# KiCad board ciaa_acc.kicad_pcb (continued)
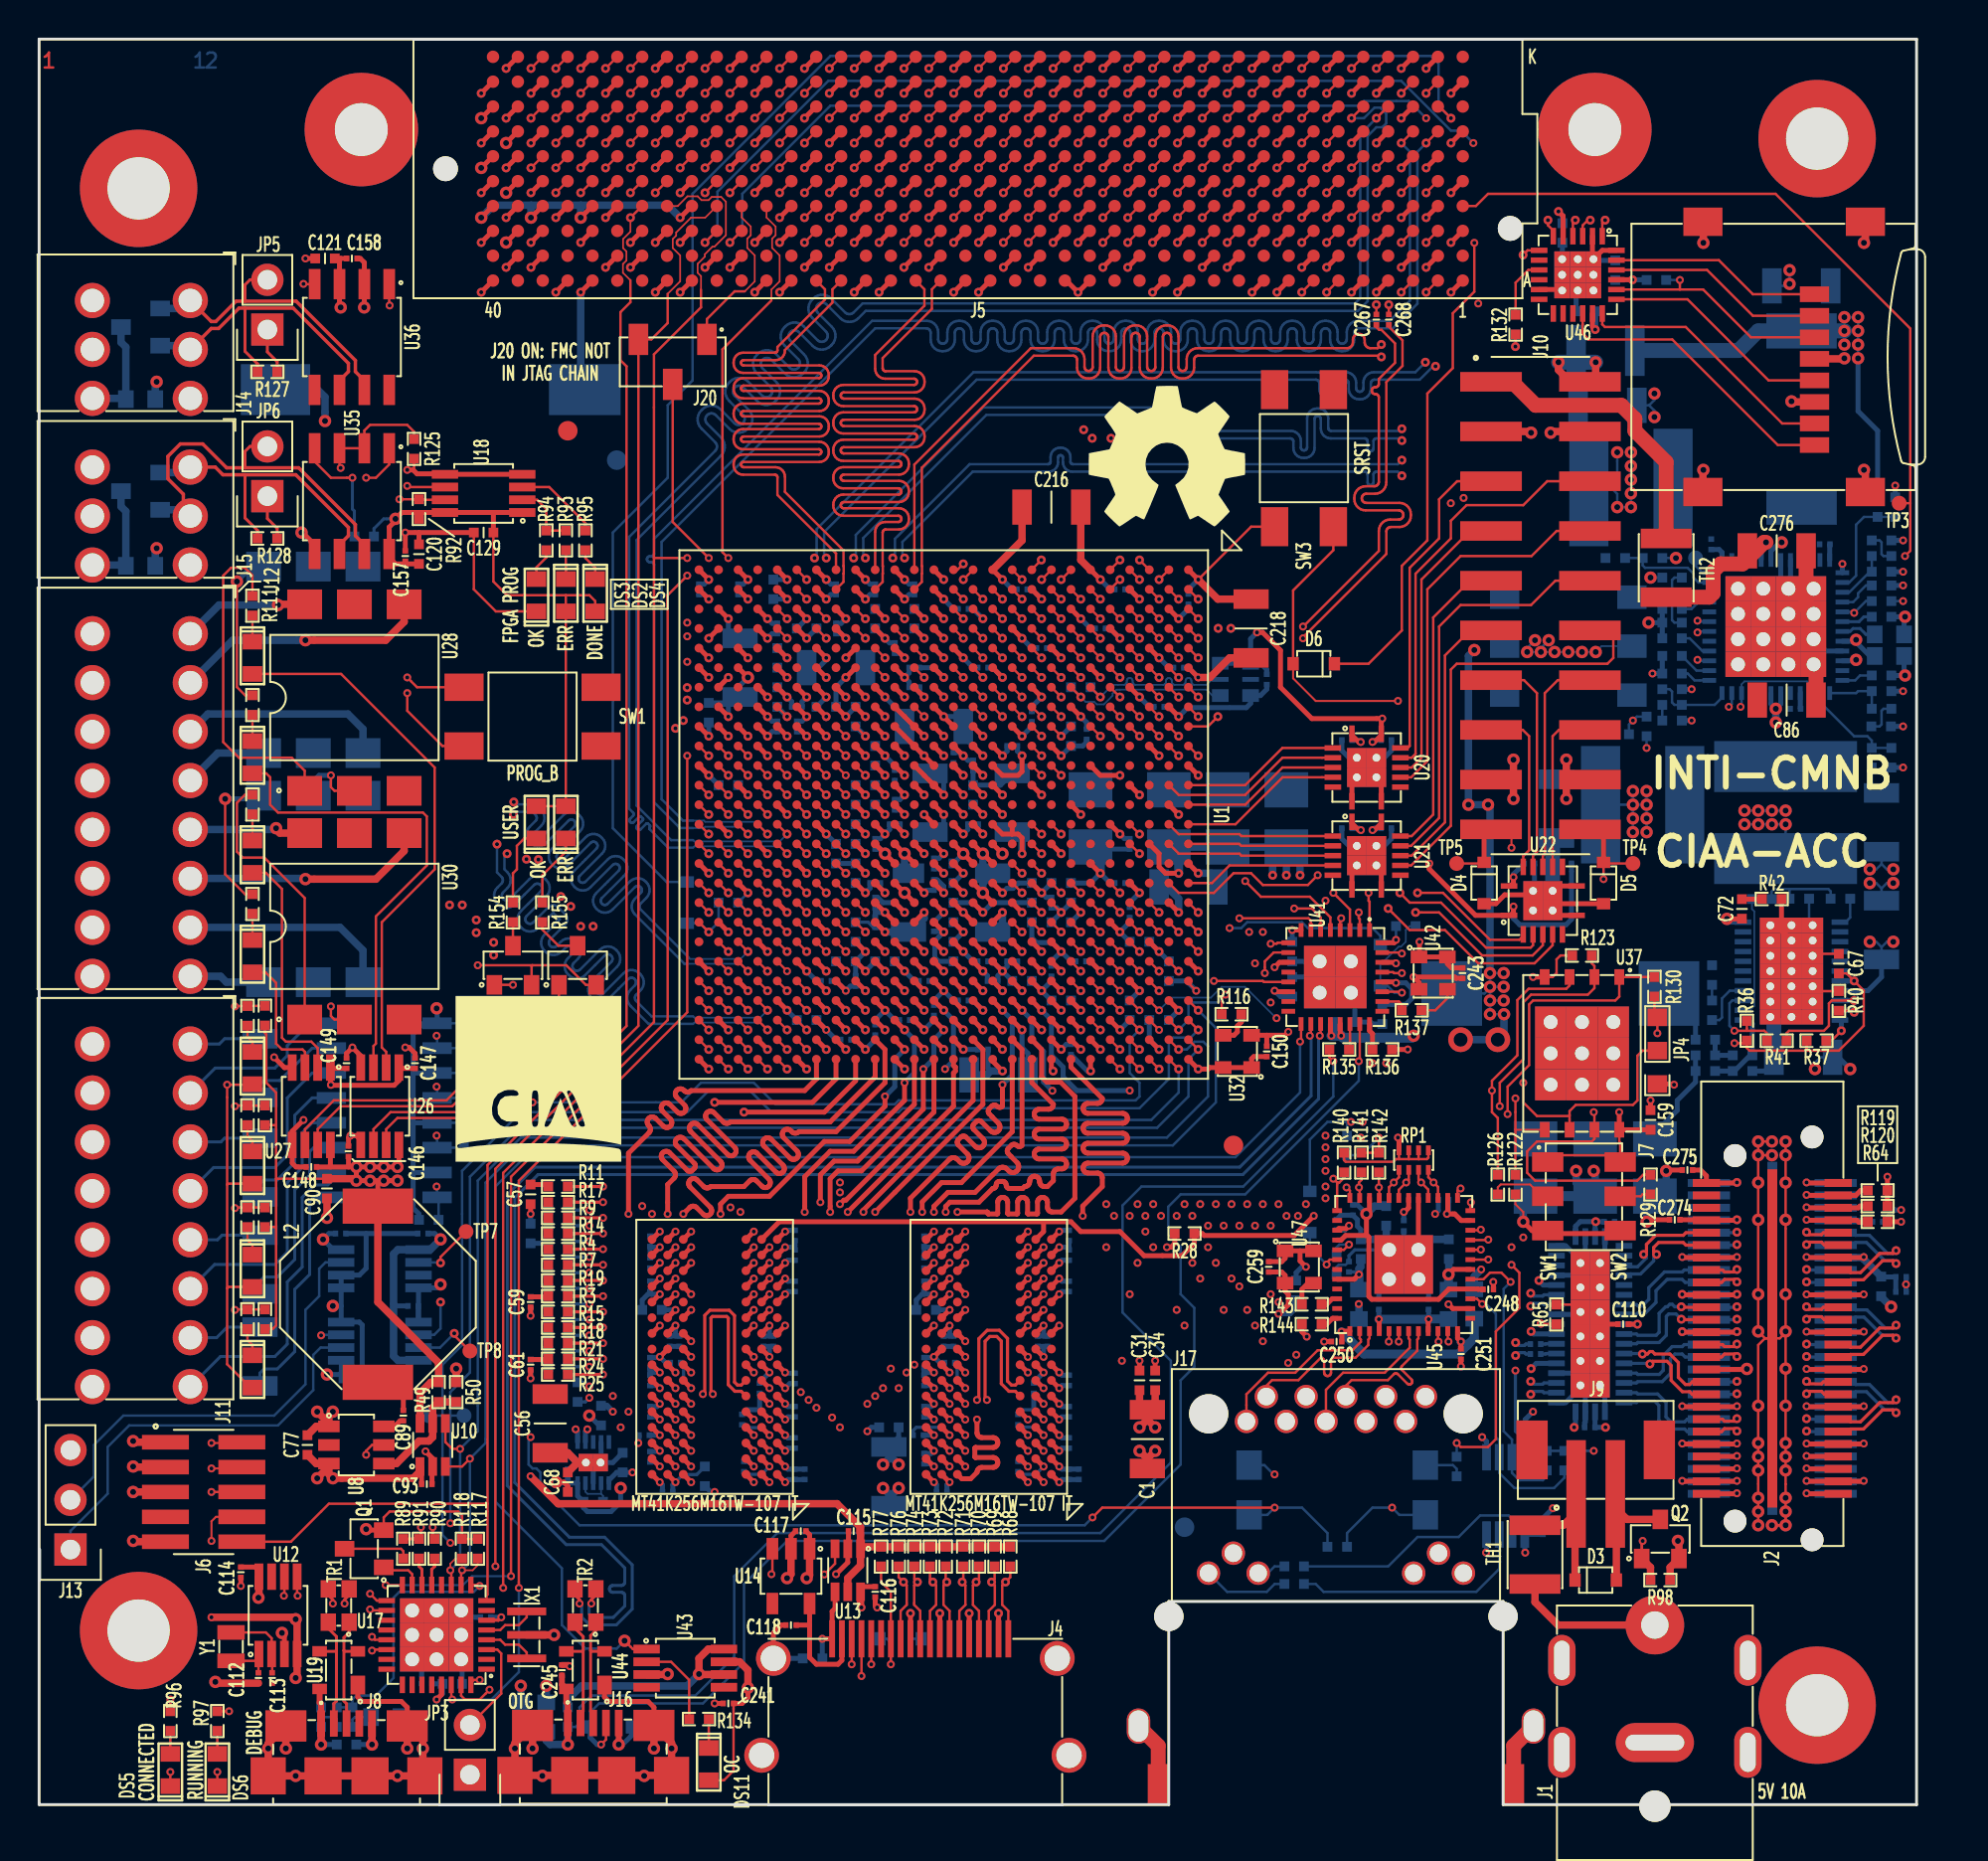
[diagram p0: board, top side]
## Routing (per net, layer and track width the routed paths; a pad name or vN(x,y) marks a point on that pad's centre or on a via; arc(x,y) is an arc through that point) (continued)
/Principal/BANK_0/SMBUS_SCL: length 142.4
  TOP_L1.Sig w0.127: U1.D23 v1(56.2,40.57) ; J5.C30 35.87,80.38 v2(35.28,79.78)
  TOP_L1.Sig w0.254: R119.2 93.04,31.37 92.78,31.12 90.3,31.12 v1(90.27,31.14)
  L3.Sig w0.107: v1(61.8,44.57) 62.5,45.27 62.5,47.54 66.03,51.07 68.6,51.07 72.1,54.57 v1(72.1,66.47)
  L5.Sig w0.107: v1(75.8,28.97) 76.27,29.44 76.27,31.67 68,39.94 68,40.07 64.5,40.07 64.1,40.47 64.1,43.87 63,44.97 62.2,44.97 v1(61.8,44.57) 59.3,42.07 56.9,42.07 56.7,41.87 56.7,41.37 56.2,40.87 v1(56.2,40.57)
  L8.Sig w0.107: v1(90.27,31.14) 77.97,31.14 v1(75.8,28.97)
  L10.Sig w0.107: v1(70.84,86.13) 71.47,85.5 71.47,76.8 71.8,76.47 71.8,66.77 v1(72.1,66.47)
  BOT_L12.Sig w0.127: v1(70.84,86.13) 69.96,87.01 67.66,87.01 67.42,86.77 40.41,86.77 35.91,82.27 35.91,80.42 v2(35.28,79.78)
  BOT_L12.Sig w0.254: 91.76,31.12 90.3,31.12 v1(90.27,31.14)
/Principal/BANK_0/SMBUS_SDA: length 144.8
  TOP_L1.Sig w0.127: J5.C31 34.6,80.38 v2(34.01,79.78) ; U1.C24 v1(57.2,39.57)
  TOP_L1.Sig w0.254: v1(90.27,30.51) 90.29,30.48 J2.47 92.91,30.48 93,30.57 R120.2
  L3.Sig w0.107: v1(72.75,66.74) 72.75,54.42 68.8,50.47 66.9,50.47 64.9,48.47 64.9,47.17 62.5,44.77 v1(62.5,44.57)
  L5.Sig w0.107: v1(57.2,39.57) 57.7,40.07 58.5,40.07 58.7,40.27 58.7,40.97 58.8,41.07 59.7,41.07 60.5,41.87 60.5,42.57 v1(62.5,44.57) 62.83,44.57 63.7,43.7 63.7,40.27 64.3,39.67 67.6,39.67 75.2,32.07 v1(75.2,28.47)
  L8.Sig w0.107: v1(75.2,28.47) 76.2,28.47 78.24,30.51 v1(90.27,30.51)
  L10.Sig w0.107: v1(73.25,84.86) 72.74,84.36 v1(72.75,66.74)
  BOT_L12.Sig w0.127: v1(73.25,84.86) 72.62,85.5 72.11,85.5 69.57,88.04 40.31,88.04 34.64,82.38 34.64,80.42 v2(34.01,79.78)
  BOT_L12.Sig w0.254: J3.47 90.29,30.48 v1(90.27,30.51)
/Principal/BANK_0/TCK: length 116.1
  TOP_L1.Sig w0.089: 37.4,76.83 37.4,77.38 37.82,77.8 37.82,79.13 37.44,79.51 37.44,79.98 37.61,80.16 37.61,80.6 37.15,81.06 J5.D29
  TOP_L1.Sig w0.107: v1(8.8,17.17) 10.28,17.17 J6.4 ; v1(17.7,11.21) 17.71,11.22 U17.16
  TOP_L1.Sig w0.127: v1(33.1,62.77) 32.1,61.77 32.1,40.07 24.1,32.07 v1(24.1,11.67) ; U1.W12 v2(41.2,51.57) ; 37.4,76.83 34.9,74.33 34.9,63.97 v1(35.2,63.67)
  L5.Sig w0.107: v2(41.2,51.57) 41.7,52.07 41.7,54.87 41.5,55.07 40.9,55.07 40.7,55.27 40.7,57.97 40.6,58.07 39.7,58.07 38.7,59.07 36.7,59.07 35.7,60.07 35.7,63.17 v1(35.2,63.67)
  L8.Sig w0.107: v1(35.2,63.67) 34.73,63.67 33.83,62.77 v1(33.1,62.77)
  L10.Sig w0.107: v1(8.8,17.17) 9.2,16.77 9.2,15.27 12.4,12.07 16.84,12.07 v1(17.7,11.21)
  BOT_L12.Sig w0.107: v1(24.1,11.67) 22.1,11.67 21.64,11.21 v1(17.7,11.21)
/Principal/BANK_0/TDI: length 85.3
  TOP_L1.Sig w0.107: J6.8 9.03,14.7 8.8,14.47 v1(8.8,13.47)
  TOP_L1.Sig w0.127: U17.30 21.05,5.42 v1(21.1,5.37) ; U1.V11 v2(42.2,52.57) ; v1(33.1,53.57) 33.1,40.47 24.5,31.87 v1(24.5,11.07)
  L3.Sig w0.107: v1(33.1,53.57) 33.6,54.07 41.27,54.07 41.7,53.64 U1.V11 v2(42.2,52.57)
  L10.Sig w0.107: v1(8.8,13.47) 9.1,13.47 12.4,10.17 13.5,10.17 14.6,9.07 17.3,9.07 17.7,8.67 17.7,7.07 18.8,5.97 20.5,5.97 v1(21.1,5.37)
  BOT_L12.Sig w0.127: v1(24.5,11.07) 24.5,6.77 23.1,5.37 v1(21.1,5.37)
/Principal/BANK_0/TDO: length 96.9
  TOP_L1.Sig w0.089: 32.1,77.16 32.74,77.8 32.74,79.13 32.36,79.5 32.36,79.96 32.53,80.13 32.53,80.3 33.29,81.05 34.02,81.05 J5.D31
  TOP_L1.Sig w0.127: U17.18 16.95,9.92 v1(16.9,9.97) ; v1(8.8,15.97) J6.6 ; v1(23.3,12.17) 23.3,12.18 23.3,32.47 30.61,39.78 J20.3 31.27,74.84 32.1,75.67 32.1,77.16
  L10.Sig w0.107: v1(23.3,12.17) 22.74,11.61 18.74,11.61 17.98,10.85 17.45,10.85 17.03,11.27 16.5,11.27 ; 16.5,11.27 16.5,10.37 v1(16.9,9.97) ; 16.5,11.27 14,11.27 13.6,11.67 12.2,11.67 8.8,15.07 v1(8.8,15.97)
/Principal/BANK_0/TMS: length 124.2
  TOP_L1.Sig w0.089: 33.8,77.37 33.8,78.07 33.63,78.24 33.63,78.69 34,79.06 34,79.18 34.39,79.57 34.49,79.57 35.07,80.16 35.07,81.87 34.83,82.11 34.35,82.11 34.19,81.95 33.83,81.95 33.63,82.14 33.11,82.14 32.62,81.65 J5.D33
  TOP_L1.Sig w0.107: J6.2 10.31,18.47 v1(8.8,18.47)
  TOP_L1.Sig w0.127: 31.4,63.67 31.4,39.97 23.7,32.27 v1(23.7,11.07) ; 31.4,63.67 31.4,74.07 33.8,76.47 33.8,77.37 ; 31.4,63.67 v1(33.1,63.67) ; U1.W11 v1(41.2,52.57) ; v1(16.9,10.77) 17.25,10.42 U17.17
  L5.Sig w0.107: v1(41.2,52.57) U1.W11 36.8,53.07 36.7,53.17 36.7,55.17 34.7,57.17 34.7,57.87 34.5,58.07 34,58.07 33.7,58.37 33.7,63.07 v1(33.1,63.67)
  L10.Sig w0.107: v1(23.7,11.07) 23.44,10.81 18.34,10.81 18,10.47 17.4,10.47 ; 17.4,10.47 17.4,9.77 17.1,9.47 15,9.47 13.2,11.27 12,11.27 8.4,14.87 8.4,18.07 v1(8.8,18.47) ; 17.4,10.47 17.2,10.47 v1(16.9,10.77)
/Principal/BANK_112/DP0_C2M_N: length 54.8
  TOP_L1.Sig w0.127: J5.A27 40.13,77.39 40.13,76.87 37.71,74.45 37.71,74.29 37.71,74.26 37.7,74.23 37.68,74.21 37.66,74.19 37.63,74.17 37.6,74.16 37.58,74.16 35.95,74.16 35.85,74.14 35.74,74.11 35.65,74.05 35.57,73.97 35.52,73.88 35.48,73.78 35.47,73.67 35.47,73.61 35.48,73.5 35.52,73.4 35.57,73.31 35.65,73.23 35.74,73.17 35.85,73.14 35.95,73.13 39.82,73.13 39.85,73.12 39.87,73.11 39.9,73.1 39.92,73.07 39.94,73.05 39.95,73.02 39.95,72.99 39.95,72.96 39.94,72.93 39.92,72.91 39.9,72.89 39.87,72.87 39.85,72.86 39.82,72.86 35.95,72.86 35.85,72.84 35.74,72.81 35.65,72.75 35.57,72.67 35.52,72.58 35.48,72.48 35.47,72.37 35.47,72.31 35.48,72.2 35.52,72.1 35.57,72.01 35.65,71.93 35.74,71.87 35.85,71.84 35.95,71.83 39.82,71.83 39.85,71.82 39.87,71.81 39.9,71.8 39.92,71.77 39.94,71.75 39.95,71.72 39.95,71.69 39.95,71.66 39.94,71.63 39.92,71.61 39.9,71.59 39.87,71.57 39.85,71.56 39.82,71.56 35.95,71.56 35.85,71.54 35.74,71.51 35.65,71.45 35.57,71.37 35.52,71.28 35.48,71.18 35.47,71.07 35.47,71.01 35.48,70.9 35.52,70.8 35.57,70.71 35.65,70.63 35.74,70.57 35.85,70.54 35.95,70.53 39.82,70.53 39.85,70.52 39.87,70.51 39.9,70.5 39.92,70.47 39.94,70.45 39.95,70.42 39.95,70.39 39.95,70.36 39.94,70.33 39.92,70.31 39.9,70.29 39.87,70.27 39.85,70.26 39.82,70.26 35.95,70.26 35.85,70.24 35.74,70.21 35.65,70.15 35.57,70.07 35.52,69.98 35.48,69.88 35.47,69.77 35.47,69.71 35.48,69.6 35.52,69.5 35.57,69.41 35.65,69.33 35.74,69.27 35.85,69.24 35.95,69.23 39.82,69.23 39.85,69.22 39.87,69.21 39.9,69.2 39.92,69.17 39.94,69.15 39.95,69.12 39.95,69.09 39.95,69.06 39.94,69.03 39.92,69.01 39.9,68.99 39.87,68.97 39.85,68.96 39.82,68.96 35.95,68.96 35.85,68.94 35.74,68.91 35.65,68.85 35.57,68.77 35.52,68.68 35.48,68.58 35.47,68.47 35.47,68.41 35.48,68.3 35.52,68.2 35.57,68.11 35.65,68.03 35.74,67.97 35.85,67.94 35.95,67.93 37.58,67.93 37.6,67.92 37.63,67.91 37.66,67.9 37.68,67.87 37.7,67.85 37.71,67.82 37.71,67.79 37.71,66.89 40.7,63.9 U1.W1
/Principal/BANK_112/DP0_C2M_P: length 56
  TOP_L1.Sig w0.127: J5.A26 40.52,77.39 40.52,76.72 38.09,74.29 38.09,74.26 38.08,74.15 38.04,74.05 37.98,73.96 37.91,73.88 37.82,73.82 37.71,73.79 37.6,73.78 35.98,73.78 35.95,73.77 35.93,73.76 35.9,73.75 35.88,73.72 35.86,73.7 35.85,73.67 35.85,73.64 35.85,73.61 35.86,73.58 35.88,73.56 35.9,73.54 35.93,73.52 35.95,73.51 35.98,73.51 39.85,73.51 39.95,73.49 40.06,73.46 40.15,73.4 40.23,73.32 40.28,73.23 40.32,73.13 40.33,73.02 40.33,72.96 40.32,72.85 40.28,72.75 40.23,72.66 40.15,72.58 40.06,72.52 39.95,72.49 39.85,72.48 35.98,72.48 35.95,72.47 35.93,72.46 35.9,72.45 35.88,72.42 35.86,72.4 35.85,72.37 35.85,72.34 35.85,72.31 35.86,72.28 35.88,72.26 35.9,72.24 35.93,72.22 35.95,72.21 35.98,72.21 39.85,72.21 39.95,72.19 40.06,72.16 40.15,72.1 40.23,72.02 40.28,71.93 40.32,71.83 40.33,71.72 40.33,71.66 40.32,71.55 40.28,71.45 40.23,71.36 40.15,71.28 40.06,71.22 39.95,71.19 39.85,71.18 35.98,71.18 35.95,71.17 35.93,71.16 35.9,71.15 35.88,71.12 35.86,71.1 35.85,71.07 35.85,71.04 35.85,71.01 35.86,70.98 35.88,70.96 35.9,70.94 35.93,70.92 35.95,70.91 35.98,70.91 39.85,70.91 39.95,70.89 40.06,70.86 40.15,70.8 40.23,70.72 40.28,70.63 40.32,70.53 40.33,70.42 40.33,70.36 40.32,70.25 40.28,70.15 40.23,70.06 40.15,69.98 40.06,69.92 39.95,69.89 39.85,69.88 35.98,69.88 35.95,69.87 35.93,69.86 35.9,69.85 35.88,69.82 35.86,69.8 35.85,69.77 35.85,69.74 35.85,69.71 35.86,69.68 35.88,69.66 35.9,69.64 35.93,69.62 35.95,69.61 35.98,69.61 39.85,69.61 39.95,69.59 40.06,69.56 40.15,69.5 40.23,69.42 40.28,69.33 40.32,69.23 40.33,69.12 40.33,69.06 40.32,68.95 40.28,68.85 40.23,68.76 40.15,68.68 40.06,68.62 39.95,68.59 39.85,68.58 35.98,68.58 35.95,68.57 35.93,68.56 35.9,68.55 35.88,68.52 35.86,68.5 35.85,68.47 35.85,68.44 35.85,68.41 35.86,68.38 35.88,68.36 35.9,68.34 35.93,68.32 35.95,68.31 35.98,68.31 37.6,68.31 37.71,68.29 37.82,68.26 37.91,68.2 37.98,68.12 38.04,68.03 38.08,67.93 38.09,67.82 38.09,67.05 41.08,64.06 41.08,63.27 41.09,63.26 41.09,62.88 41.08,62.87 41.08,62.45 U1.W2
/Principal/BANK_112/DP0_M2C_N: length 52.7
  TOP_L1.Sig w0.127: v2(64.49,77.24) 65.08,77.84 J5.A7 ; U1.Y3 v2(40.2,60.57)
  L3.Sig w0.089: v2(71.32,73.46) 71.19,73.46 70.83,73.1 68.27,73.1 64.98,76.39 64.98,76.75 v2(64.49,77.24) ; v2(40.2,63.67) 39.82,63.29 39.82,60.95 v2(40.2,60.57)
  BOT_L12.Sig w0.127: v2(40.2,63.67) 40.09,63.78 40.09,64.99 47.88,72.78 65.2,72.78 65.24,72.77 65.28,72.76 65.32,72.74 65.34,72.71 65.37,72.68 65.38,72.64 65.38,72.59 65.38,72.31 65.4,72.19 65.44,72.08 65.5,71.98 65.59,71.9 65.69,71.83 65.8,71.79 65.92,71.78 65.98,71.78 66.1,71.79 66.21,71.83 66.31,71.9 66.4,71.98 66.46,72.08 66.5,72.19 66.52,72.31 66.52,72.59 66.52,72.64 66.53,72.68 66.56,72.71 66.58,72.74 66.62,72.76 66.66,72.77 66.7,72.78 66.74,72.77 66.78,72.76 66.82,72.74 66.84,72.71 66.87,72.68 66.88,72.64 66.88,72.59 66.88,72.31 66.9,72.19 66.94,72.08 67,71.98 67.09,71.9 67.19,71.83 67.3,71.79 67.42,71.78 67.48,71.78 67.6,71.79 67.71,71.83 67.81,71.9 67.9,71.98 67.96,72.08 68,72.19 68.02,72.31 68.02,72.59 68.02,72.64 68.03,72.68 68.06,72.71 68.08,72.74 68.12,72.76 68.16,72.77 68.2,72.78 70.51,72.78 71.19,73.46 v2(71.32,73.46)
/Principal/BANK_112/DP0_M2C_P: length 52.7
  TOP_L1.Sig w0.127: v2(65.76,77.24) 66.35,77.84 J5.A6 ; U1.Y4 v2(40.2,59.57)
  L3.Sig w0.089: v2(40.2,59.57) 39.58,60.19 39.58,63.65 v2(39.6,63.67) ; v2(65.76,77.24) 65.26,76.75 65.26,76.5 68.39,73.38 70.52,73.38 70.8,73.66 v2(70.8,73.67)
  BOT_L12.Sig w0.127: v2(39.6,63.67) 39.71,63.78 39.71,65.15 47.72,73.16 65.23,73.16 65.35,73.15 65.46,73.11 65.56,73.04 65.65,72.96 65.71,72.86 65.75,72.75 65.77,72.63 65.77,72.34 65.77,72.3 65.78,72.26 65.81,72.23 65.83,72.2 65.87,72.18 65.91,72.17 65.95,72.16 65.99,72.17 66.03,72.18 66.07,72.2 66.09,72.23 66.12,72.26 66.13,72.3 66.13,72.34 66.13,72.63 66.15,72.75 66.19,72.86 66.25,72.96 66.34,73.04 66.44,73.11 66.55,73.15 66.67,73.16 66.73,73.16 66.85,73.15 66.96,73.11 67.06,73.04 67.15,72.96 67.21,72.86 67.25,72.75 67.27,72.63 67.27,72.34 67.27,72.3 67.28,72.26 67.31,72.23 67.33,72.2 67.37,72.18 67.41,72.17 67.45,72.16 67.49,72.17 67.53,72.18 67.57,72.2 67.59,72.23 67.62,72.26 67.63,72.3 67.63,72.34 67.63,72.63 67.65,72.75 67.69,72.86 67.75,72.96 67.84,73.04 67.94,73.11 68.05,73.15 68.17,73.16 70.29,73.16 v2(70.8,73.67)
/Principal/BANK_112/DP1_C2M_N: length 54.8
  TOP_L1.Sig w0.127: J5.A23 45.21,77.39 45.21,76.55 42.7,74.04 42.7,73.34 42.71,73.23 42.75,73.12 42.81,73.02 42.89,72.94 42.99,72.88 43.1,72.84 43.21,72.83 44.68,72.83 44.72,72.83 44.75,72.81 44.78,72.79 44.8,72.77 44.82,72.74 44.84,72.71 44.84,72.67 44.84,72.63 44.82,72.6 44.8,72.57 44.78,72.55 44.75,72.53 44.72,72.51 44.68,72.51 41.07,72.51 40.96,72.5 40.85,72.46 40.75,72.4 40.67,72.32 40.61,72.22 40.57,72.11 40.56,72 40.56,71.94 40.57,71.83 40.61,71.72 40.67,71.62 40.75,71.54 40.85,71.48 40.96,71.44 41.07,71.43 44.68,71.43 44.72,71.43 44.75,71.41 44.78,71.39 44.8,71.37 44.82,71.34 44.84,71.31 44.84,71.27 44.84,71.23 44.82,71.2 44.8,71.17 44.78,71.15 44.75,71.13 44.72,71.11 44.68,71.11 41.07,71.11 40.96,71.1 40.85,71.06 40.75,71 40.67,70.92 40.61,70.82 40.57,70.71 40.56,70.6 40.56,70.54 40.57,70.43 40.61,70.32 40.67,70.22 40.75,70.14 40.85,70.08 40.96,70.04 41.07,70.03 44.68,70.03 44.72,70.03 44.75,70.01 44.78,69.99 44.8,69.97 44.82,69.94 44.84,69.91 44.84,69.87 44.84,69.83 44.82,69.8 44.8,69.77 44.78,69.75 44.75,69.73 44.72,69.71 44.68,69.71 41.07,69.71 40.96,69.7 40.85,69.66 40.75,69.6 40.67,69.52 40.61,69.42 40.57,69.31 40.56,69.2 40.56,69.14 40.57,69.03 40.61,68.92 40.67,68.82 40.75,68.74 40.85,68.68 40.96,68.64 41.07,68.63 43.88,68.63 43.92,68.63 43.95,68.61 43.98,68.59 44,68.57 44.02,68.54 44.04,68.51 44.04,68.47 44.04,68.43 44.02,68.4 44,68.37 43.98,68.35 43.95,68.33 43.92,68.31 43.88,68.31 41.07,68.31 40.96,68.3 40.85,68.26 40.75,68.2 40.67,68.12 40.61,68.02 40.57,67.91 40.56,67.8 40.56,67.74 40.57,67.63 40.61,67.52 40.67,67.42 40.75,67.34 40.85,67.28 40.96,67.24 41.07,67.23 43.88,67.23 43.92,67.23 43.95,67.21 43.98,67.19 44,67.17 44.02,67.14 44.04,67.11 44.04,67.07 44.04,67.03 44.02,67 44,66.97 43.98,66.95 43.95,66.93 43.92,66.91 43.88,66.91 41.07,66.91 40.96,66.9 40.85,66.86 40.75,66.8 40.67,66.72 40.61,66.62 40.57,66.51 40.56,66.4 40.56,66.34 40.57,66.23 40.61,66.12 40.67,66.02 40.75,65.94 40.85,65.88 40.96,65.84 41.07,65.83 43.88,65.83 43.92,65.83 43.95,65.81 43.98,65.79 44,65.77 44.02,65.74 44.04,65.71 44.04,65.67 44.04,65.63 44.02,65.6 44,65.57 43.98,65.55 43.95,65.53 43.92,65.51 43.88,65.51 43.21,65.51 43.1,65.5 42.99,65.46 42.89,65.4 42.81,65.32 42.75,65.22 42.71,65.11 42.7,65 U1.U1
/Principal/BANK_112/DP1_C2M_P: length 56
  TOP_L1.Sig w0.127: U1.U2 43.08,62.45 43.08,62.87 43.09,62.88 43.09,63.26 43.08,63.27 43.08,64.97 43.08,65.01 43.1,65.04 43.12,65.07 43.14,65.09 43.17,65.11 43.21,65.13 43.24,65.13 43.91,65.13 44.02,65.14 44.13,65.18 44.23,65.24 44.31,65.32 44.37,65.42 44.41,65.53 44.42,65.64 44.42,65.7 44.41,65.81 44.37,65.92 44.31,66.02 44.23,66.1 44.13,66.16 44.02,66.2 43.91,66.21 41.1,66.21 41.07,66.21 41.03,66.23 41,66.25 40.98,66.27 40.96,66.3 40.95,66.33 40.94,66.37 40.95,66.41 40.96,66.44 40.98,66.47 41,66.49 41.03,66.51 41.07,66.53 41.1,66.53 43.91,66.53 44.02,66.54 44.13,66.58 44.23,66.64 44.31,66.72 44.37,66.82 44.41,66.93 44.42,67.04 44.42,67.1 44.41,67.21 44.37,67.32 44.31,67.42 44.23,67.5 44.13,67.56 44.02,67.6 43.91,67.61 41.1,67.61 41.07,67.61 41.03,67.63 41,67.65 40.98,67.67 40.96,67.7 40.95,67.73 40.94,67.77 40.95,67.81 40.96,67.84 40.98,67.87 41,67.89 41.03,67.91 41.07,67.93 41.1,67.93 43.91,67.93 44.02,67.94 44.13,67.98 44.23,68.04 44.31,68.12 44.37,68.22 44.41,68.33 44.42,68.44 44.42,68.5 44.41,68.61 44.37,68.72 44.31,68.82 44.23,68.9 44.13,68.96 44.02,69 43.91,69.01 41.1,69.01 41.07,69.01 41.03,69.03 41,69.05 40.98,69.07 40.96,69.1 40.95,69.13 40.94,69.17 40.95,69.21 40.96,69.24 40.98,69.27 41,69.29 41.03,69.31 41.07,69.33 41.1,69.33 44.71,69.33 44.82,69.34 44.93,69.38 45.03,69.44 45.11,69.52 45.17,69.62 45.21,69.73 45.22,69.84 45.22,69.9 45.21,70.01 45.17,70.12 45.11,70.22 45.03,70.3 44.93,70.36 44.82,70.4 44.71,70.41 41.1,70.41 41.07,70.41 41.03,70.43 41,70.45 40.98,70.47 40.96,70.5 40.95,70.53 40.94,70.57 40.95,70.61 40.96,70.64 40.98,70.67 41,70.69 41.03,70.71 41.07,70.73 41.1,70.73 44.71,70.73 44.82,70.74 44.93,70.78 45.03,70.84 45.11,70.92 45.17,71.02 45.21,71.13 45.22,71.24 45.22,71.3 45.21,71.41 45.17,71.52 45.11,71.62 45.03,71.7 44.93,71.76 44.82,71.8 44.71,71.81 41.1,71.81 41.07,71.81 41.03,71.83 41,71.85 40.98,71.87 40.96,71.9 40.95,71.93 40.94,71.97 40.95,72.01 40.96,72.04 40.98,72.07 41,72.09 41.03,72.11 41.07,72.13 41.1,72.13 44.71,72.13 44.82,72.14 44.93,72.18 45.03,72.24 45.11,72.32 45.17,72.42 45.21,72.53 45.22,72.64 45.22,72.7 45.21,72.81 45.17,72.92 45.11,73.02 45.03,73.1 44.93,73.16 44.82,73.2 44.71,73.21 43.24,73.21 43.21,73.21 43.17,73.23 43.14,73.25 43.12,73.27 43.1,73.3 43.08,73.33 43.08,73.37 43.08,73.88 45.6,76.4 45.6,77.39 J5.A22
/Principal/BANK_112/DP1_M2C_N: length 52.2
  TOP_L1.Sig w0.127: J5.A3 70.16,77.84 v2(69.57,77.24) ; U1.V3 v2(42.2,60.57)
  L3.Sig w0.089: v2(69.57,77.24) 70.06,76.75 70.06,75.41 71.76,73.71 71.76,72.53 71.04,71.81 69.84,71.81 68.76,70.73 68.76,70.11 69,69.87 69.4,69.87 v2(69.6,69.67) ; v2(42.2,63.67) 41.83,63.3 41.83,60.94 v2(42.2,60.57)
  BOT_L12.Sig w0.127: v2(69.6,69.67) 69.49,69.78 68.3,69.78 68.27,69.78 68.23,69.76 68.21,69.75 68.18,69.72 68.16,69.69 68.15,69.66 68.15,69.63 68.15,69.27 68.15,69.23 68.14,69.2 68.12,69.17 68.09,69.15 68.07,69.13 68.03,69.12 68,69.12 67.97,69.12 67.93,69.13 67.91,69.15 67.88,69.17 67.86,69.2 67.85,69.23 67.85,69.27 67.85,69.63 67.85,69.66 67.84,69.69 67.82,69.72 67.79,69.75 67.77,69.76 67.73,69.78 67.7,69.78 65.97,69.78 65.86,69.79 65.75,69.83 65.65,69.89 65.57,69.97 65.51,70.07 65.47,70.18 65.46,70.29 65.46,70.77 65.46,70.8 65.44,70.84 65.42,70.87 65.4,70.89 65.37,70.91 65.34,70.92 65.3,70.93 65.26,70.92 65.23,70.91 65.2,70.89 65.18,70.87 65.16,70.84 65.14,70.8 65.14,70.77 65.14,69.29 65.13,69.18 65.09,69.07 65.03,68.97 64.95,68.89 64.85,68.83 64.74,68.8 64.63,68.78 64.57,68.78 64.46,68.8 64.35,68.83 64.25,68.89 64.17,68.97 64.11,69.07 64.07,69.18 64.06,69.29 64.06,69.62 64.06,69.66 64.04,69.69 64.02,69.72 64,69.74 63.97,69.76 63.94,69.78 63.9,69.78 57.92,69.78 56.72,70.98 48.38,70.98 42.09,64.69 42.09,63.78 v2(42.2,63.67)
/Principal/BANK_112/DP1_M2C_P: length 52.2
  TOP_L1.Sig w0.127: U1.V4 v2(42.2,59.57) ; J5.A2 71.43,77.84 v2(70.84,77.24)
  L3.Sig w0.089: v2(70.84,77.24) 70.34,76.75 70.34,75.52 72.04,73.83 72.04,72.41 71.16,71.53 69.96,71.53 69.04,70.61 69.04,70.24 69.1,70.18 69.51,70.18 v2(69.6,70.27) ; v2(41.6,63.67) 41.58,63.65 41.58,60.19 v2(42.2,59.57)
  BOT_L12.Sig w0.127: v2(41.6,63.67) 41.71,63.78 41.71,64.85 48.22,71.36 56.88,71.36 58.08,70.16 63.93,70.16 64.04,70.15 64.15,70.11 64.25,70.05 64.33,69.97 64.39,69.87 64.43,69.76 64.44,69.65 64.44,69.32 64.44,69.29 64.46,69.25 64.48,69.22 64.5,69.2 64.53,69.18 64.56,69.17 64.6,69.16 64.64,69.17 64.67,69.18 64.7,69.2 64.72,69.22 64.74,69.25 64.76,69.29 64.76,69.32 64.76,70.8 64.77,70.91 64.81,71.02 64.87,71.12 64.95,71.2 65.05,71.26 65.16,71.29 65.27,71.31 65.33,71.31 65.44,71.29 65.55,71.26 65.65,71.2 65.73,71.12 65.79,71.02 65.83,70.91 65.84,70.8 65.84,70.32 65.84,70.28 65.86,70.25 65.88,70.22 65.9,70.2 65.93,70.18 65.96,70.16 66,70.16 69.49,70.16 v2(69.6,70.27)
/Principal/BANK_112/DP2_C2M_N: length 53.9
  TOP_L1.Sig w0.127: U1.R1 44.7,68.44 50.65,74.39 52.83,74.39 52.96,74.37 53.08,74.33 53.18,74.27 53.27,74.18 53.34,74.07 53.38,73.95 53.39,73.83 53.39,73.43 53.4,73.38 53.41,73.34 53.44,73.3 53.47,73.27 53.51,73.24 53.55,73.23 53.6,73.22 53.65,73.23 53.69,73.24 53.73,73.27 53.76,73.3 53.79,73.34 53.8,73.38 53.81,73.43 53.81,75 53.82,75.12 53.86,75.24 53.93,75.34 54.02,75.43 54.12,75.5 54.24,75.54 54.37,75.55 54.43,75.55 54.56,75.54 54.68,75.5 54.78,75.43 54.87,75.34 54.94,75.24 54.98,75.12 54.99,75 54.99,73.43 55,73.38 55.01,73.34 55.04,73.3 55.07,73.27 55.11,73.24 55.15,73.23 55.2,73.22 55.25,73.23 55.29,73.24 55.33,73.27 55.36,73.3 55.39,73.34 55.4,73.38 55.41,73.43 55.41,75 55.42,75.12 55.46,75.24 55.53,75.34 55.62,75.43 55.72,75.5 55.84,75.54 55.97,75.55 56.03,75.55 56.16,75.54 56.28,75.5 56.38,75.43 56.47,75.34 56.54,75.24 56.58,75.12 56.59,75 56.59,73.43 56.6,73.38 56.61,73.34 56.64,73.3 56.67,73.27 56.71,73.24 56.75,73.23 56.8,73.22 56.85,73.23 56.89,73.24 56.93,73.27 56.96,73.3 56.99,73.34 57,73.38 57.01,73.43 57.01,75 57.02,75.12 57.06,75.24 57.13,75.34 57.22,75.43 57.32,75.5 57.44,75.54 57.57,75.55 57.63,75.55 57.76,75.54 57.88,75.5 57.98,75.43 58.07,75.34 58.14,75.24 58.18,75.12 58.19,75 58.19,73.43 58.2,73.38 58.21,73.34 58.24,73.3 58.27,73.27 58.31,73.24 58.35,73.23 58.4,73.22 58.45,73.23 58.49,73.24 58.53,73.27 58.56,73.3 58.59,73.34 58.6,73.38 58.61,73.43 58.61,73.83 58.62,73.95 58.66,74.07 58.73,74.18 58.82,74.27 58.92,74.33 59.04,74.37 59.17,74.39 66.8,74.39 66.87,74.39 66.93,74.42 66.99,74.45 67.03,74.5 67.07,74.56 67.09,74.62 67.1,74.69 67.1,74.82 67.11,74.88 67.13,74.95 67.17,75.01 67.21,75.05 67.27,75.09 67.33,75.11 67.4,75.12 67.47,75.11 67.53,75.09 67.59,75.05 67.63,75.01 67.67,74.95 67.69,74.88 67.7,74.82 67.7,74.69 67.71,74.62 67.73,74.56 67.77,74.5 67.81,74.45 67.87,74.42 67.93,74.39 68,74.39 68.36,74.39 v2(68.55,74.58) ; J5.C3 70.16,80.38 v2(69.57,79.78)
  L5.Sig w0.089: v2(68.55,74.58) 68.73,74.4 69.2,74.4 70.06,75.26 70.06,79.29 v2(69.57,79.78)
/Principal/BANK_112/DP2_C2M_P: length 53.9
  TOP_L1.Sig w0.127: J5.C2 71.43,80.38 v2(70.84,79.78) ; U1.R2 45.08,62.45 45.08,62.87 45.09,62.88 45.09,63.26 45.08,63.27 45.08,68.28 50.8,74.01 52.8,74.01 52.85,74 52.89,73.98 52.93,73.96 52.96,73.93 52.99,73.89 53,73.84 53.01,73.8 53.01,73.4 53.02,73.27 53.06,73.15 53.13,73.05 53.22,72.96 53.32,72.9 53.44,72.85 53.57,72.84 53.63,72.84 53.76,72.85 53.88,72.9 53.98,72.96 54.07,73.05 54.14,73.15 54.18,73.27 54.19,73.4 54.19,74.96 54.2,75.01 54.21,75.05 54.24,75.09 54.27,75.13 54.31,75.15 54.35,75.17 54.4,75.17 54.45,75.17 54.49,75.15 54.53,75.13 54.56,75.09 54.59,75.05 54.6,75.01 54.61,74.96 54.61,73.4 54.62,73.27 54.66,73.15 54.73,73.05 54.82,72.96 54.92,72.9 55.04,72.85 55.17,72.84 55.23,72.84 55.36,72.85 55.48,72.9 55.58,72.96 55.67,73.05 55.74,73.15 55.78,73.27 55.79,73.4 55.79,74.96 55.8,75.01 55.81,75.05 55.84,75.09 55.87,75.13 55.91,75.15 55.95,75.17 56,75.17 56.05,75.17 56.09,75.15 56.13,75.13 56.16,75.09 56.19,75.05 56.2,75.01 56.21,74.96 56.21,73.4 56.22,73.27 56.26,73.15 56.33,73.05 56.42,72.96 56.52,72.9 56.64,72.85 56.77,72.84 56.83,72.84 56.96,72.85 57.08,72.9 57.18,72.96 57.27,73.05 57.34,73.15 57.38,73.27 57.39,73.4 57.39,74.96 57.4,75.01 57.41,75.05 57.44,75.09 57.47,75.13 57.51,75.15 57.55,75.17 57.6,75.17 57.65,75.17 57.69,75.15 57.73,75.13 57.76,75.09 57.79,75.05 57.8,75.01 57.81,74.96 57.81,73.4 57.82,73.27 57.86,73.15 57.93,73.05 58.02,72.96 58.12,72.9 58.24,72.85 58.37,72.84 58.43,72.84 58.56,72.85 58.68,72.9 58.78,72.96 58.87,73.05 58.94,73.15 58.98,73.27 58.99,73.4 58.99,73.8 59,73.84 59.01,73.89 59.04,73.93 59.07,73.96 59.11,73.98 59.15,74 59.2,74.01 68.49,74.01 v2(68.55,73.94)
  L5.Sig w0.089: v2(68.55,73.94) 68.73,74.12 69.32,74.12 70.34,75.14 70.34,79.29 v2(70.84,79.78)
/Principal/BANK_112/DP2_M2C_N: length 51
  TOP_L1.Sig w0.127: J5.C7 65.08,80.38 v2(64.49,79.78) ; U1.T3 v2(44.2,60.57)
  L3.Sig w0.089: v2(44.2,63.67) 43.83,63.3 43.83,60.94 v2(44.2,60.57) ; v2(69.6,67.87) 69.34,68.13 68.83,68.13 67.65,69.31 67.65,72.61 63.71,76.55 63.71,77.8 63.94,78.02 64.74,78.02 64.98,78.27 64.98,79.29 v2(64.49,79.78)
  BOT_L12.Sig w0.127: v2(44.2,63.67) 44.09,63.78 44.09,64.49 47.68,68.08 51.56,68.08 51.67,68.09 51.77,68.13 51.86,68.18 51.93,68.26 51.99,68.35 52.03,68.45 52.04,68.56 52.04,68.79 52.04,68.82 52.05,68.85 52.07,68.87 52.09,68.89 52.11,68.91 52.14,68.92 52.17,68.92 52.19,68.92 52.22,68.91 52.24,68.89 52.26,68.87 52.28,68.85 52.29,68.82 52.29,68.79 52.29,68.56 52.3,68.45 52.34,68.35 52.4,68.26 52.47,68.18 52.56,68.13 52.66,68.09 52.77,68.08 67.7,68.08 67.73,68.08 67.77,68.06 67.79,68.05 67.82,68.02 67.84,67.99 67.85,67.96 67.85,67.93 67.85,67.54 67.85,67.5 67.86,67.47 67.88,67.44 67.91,67.42 67.93,67.4 67.97,67.39 68,67.39 68.03,67.39 68.07,67.4 68.09,67.42 68.12,67.44 68.14,67.47 68.15,67.5 68.15,67.54 68.15,67.93 68.15,67.96 68.16,67.99 68.18,68.02 68.21,68.05 68.23,68.06 68.27,68.08 68.3,68.08 69.39,68.08 v2(69.6,67.87)
/Principal/BANK_112/DP2_M2C_P: length 51
  TOP_L1.Sig w0.127: U1.T4 v2(44.2,59.57) ; v2(65.76,79.78) 66.35,80.38 J5.C6
  L3.Sig w0.089: v2(69.6,68.67) 69.34,68.41 68.95,68.41 67.93,69.43 67.93,72.73 63.99,76.67 63.99,77.68 64.05,77.74 64.85,77.74 65.26,78.15 65.26,79.29 v2(65.76,79.78) ; v2(44.2,59.57) 43.58,60.19 43.58,63.65 v2(43.6,63.67)
  BOT_L12.Sig w0.127: v2(43.6,63.67) 43.71,63.78 43.71,64.65 47.52,68.46 51.53,68.46 51.56,68.46 51.59,68.47 51.61,68.49 51.63,68.51 51.64,68.53 51.65,68.56 51.66,68.59 51.66,68.82 51.67,68.93 51.7,69.03 51.76,69.12 51.84,69.2 51.93,69.25 52.03,69.29 52.14,69.3 52.19,69.3 52.3,69.29 52.4,69.25 52.49,69.2 52.57,69.12 52.63,69.03 52.66,68.93 52.67,68.82 52.67,68.59 52.68,68.56 52.69,68.53 52.7,68.51 52.72,68.49 52.74,68.47 52.77,68.46 52.8,68.46 69.39,68.46 v2(69.6,68.67)
/Principal/BANK_112/MGTREFCLK0_N: length 142.5
  TOP_L1.Sig w0.127: U1.U5 v2(43.2,58.57)
  L3.Sig w0.089: 33.1,58.91 33.14,58.95 42.82,58.95 v2(43.2,58.57)
  L3.Sig w0.132: v2(76.18,26.12) 76.01,25.95 74.94,25.95 74.23,25.24 74.23,24.97 74.23,24.93 74.22,24.89 74.19,24.86 74.17,24.83 74.13,24.81 74.1,24.8 74.06,24.8 73.53,24.8 73.49,24.79 73.46,24.78 73.42,24.76 73.39,24.73 73.37,24.7 73.36,24.66 73.36,24.62 73.36,24.58 73.37,24.54 73.39,24.51 73.42,24.48 73.46,24.46 73.49,24.45 73.53,24.45 74.06,24.45 74.1,24.44 74.13,24.43 74.17,24.41 74.19,24.38 74.22,24.35 74.23,24.31 74.23,24.27 74.23,24.23 74.22,24.19 74.19,24.16 74.17,24.13 74.13,24.11 74.1,24.1 74.06,24.09 73.53,24.09 73.49,24.09 73.46,24.08 73.42,24.06 73.39,24.03 73.37,24 73.36,23.96 73.36,23.92 73.36,23.88 73.37,23.84 73.39,23.81 73.42,23.78 73.46,23.76 73.49,23.75 73.53,23.75 74.06,23.75 74.1,23.74 74.13,23.73 74.17,23.71 74.19,23.68 74.22,23.65 74.23,23.61 74.23,23.57 74.23,18.51 73.57,17.84 58.58,17.84 56.29,15.56 25.31,15.56 19.16,21.71 19.16,27.64 15.16,31.64 15.16,35 16.96,36.8 16.96,47.02 17.99,48.04 18.06,48.13 18.11,48.24 18.14,48.35 18.14,48.47 18.11,48.58 18.06,48.69 17.99,48.78 17.85,48.91 17.82,48.95 17.8,49 17.79,49.05 17.79,49.1 17.8,49.15 17.82,49.2 17.85,49.24 17.97,49.36 18.01,49.39 18.06,49.41 18.11,49.42 18.16,49.42 18.21,49.41 18.26,49.39 18.3,49.36 19.1,48.56 19.19,48.48 19.29,48.43 19.41,48.41 19.52,48.41 19.64,48.43 19.74,48.48 19.83,48.56 20,48.72 20.07,48.81 20.12,48.92 20.15,49.03 20.15,49.15 20.12,49.26 20.07,49.37 20,49.46 19.2,50.26 19.16,50.3 19.14,50.34 19.13,50.39 19.13,50.45 19.14,50.5 19.16,50.54 19.2,50.58 19.32,50.7 19.36,50.73 19.4,50.76 19.45,50.77 19.5,50.77 19.55,50.76 19.6,50.73 19.64,50.7 20.44,49.9 20.53,49.83 20.64,49.78 20.75,49.75 20.87,49.75 20.98,49.78 21.09,49.83 21.18,49.9 21.34,50.07 21.41,50.16 21.47,50.26 21.49,50.37 21.49,50.49 21.47,50.6 21.41,50.71 21.34,50.8 20.54,51.6 20.51,51.64 20.49,51.69 20.47,51.74 20.47,51.79 20.49,51.84 20.51,51.89 20.54,51.93 20.66,52.05 20.7,52.08 20.75,52.1 20.8,52.11 20.85,52.11 20.9,52.1 20.94,52.08 20.98,52.05 21.79,51.24 21.88,51.17 21.98,51.12 22.1,51.09 22.21,51.09 22.32,51.12 22.43,51.17 22.52,51.24 22.69,51.41 22.76,51.5 22.81,51.6 22.83,51.72 22.83,51.83 22.81,51.95 22.76,52.05 22.69,52.14 22.27,52.56 22.28,52.56 21.89,52.95 21.86,52.99 21.84,53.04 21.83,53.09 21.83,53.14 21.84,53.19 21.86,53.24 21.89,53.28 22.01,53.4 22.05,53.43 22.1,53.45 22.15,53.46 22.2,53.46 22.25,53.45 22.29,53.43 22.33,53.4 22.47,53.26 22.56,53.19 22.67,53.14 22.78,53.11 22.9,53.11 23.01,53.14 23.11,53.19 23.21,53.26 28.85,58.91 33.1,58.91